# Allegro board RK_TABLET_DEMO1_RK3576_LP4XD200P132SD6_V12_20240530YWQ.brd (continued)
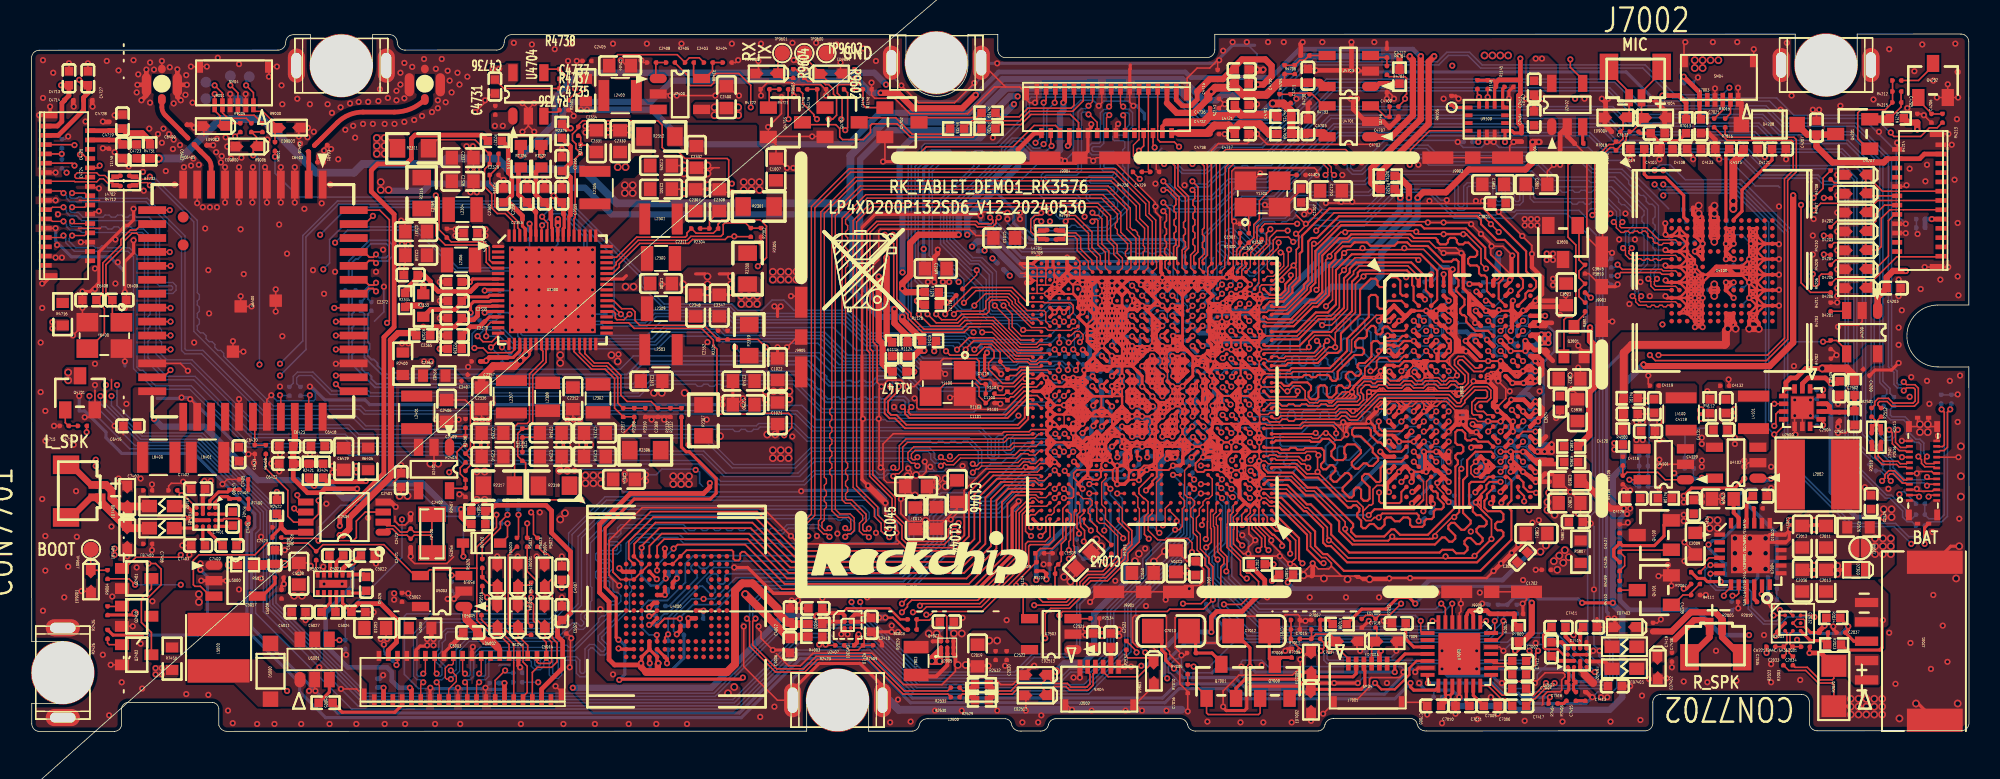
[diagram p0: board, top side]
## Footprints (pads in the part's own frame, mm; a bottom-side part is the same pattern mirrored in y, then rotated) (continued)
BGA698_16R1X17R2X1R08
  round 0.245 smd: 1A1(-7.2,7.2) 1A2(-6.6,7.2) 1A3(-6,7.2) 1A4(-5.4,7.2) 1A5(-4.8,7.2) 1A6(-4.2,7.2) 1A7(-3.6,7.2) 1A8(-3,7.2) 1A9(-2.4,7.2) 1A10(-1.8,7.2) 1A11(-1.2,7.2) 1A12(-0.6,7.2) 1A13(0,7.2) 1A14(0.6,7.2) 1A15(1.2,7.2) 1A16(1.8,7.2) 1A17(2.4,7.2) 1A18(3,7.2) 1A19(3.6,7.2) 1A20(4.2,7.2) 1A21(4.8,7.2) 1A22(5.4,7.2) 1A23(6,7.2) 1A24(6.6,7.2) 1AA1(-7.2,-4.8) 1AA2(-6.6,-4.8) 1AA3(-6,-4.8) 1AA4(-5.4,-4.8) 1AA5(-4.8,-4.8) 1AA6(-4.2,-4.8) 1AA20(4.2,-4.8) 1AA21(4.8,-4.8) 1AA22(5.4,-4.8) 1AA23(6,-4.8) 1AA24(6.6,-4.8) 1AB1(-7.2,-5.4) 1AB2(-6.6,-5.4) 1AB3(-6,-5.4) 1AB4(-5.4,-5.4) 1AB5(-4.8,-5.4) 1AB6(-4.2,-5.4) 1AB20(4.2,-5.4) 1AB21(4.8,-5.4) 1AB22(5.4,-5.4) 1AB23(6,-5.4) 1AB24(6.6,-5.4) 1AC1(-7.2,-6) 1AC2(-6.6,-6) 1AC3(-6,-6) 1AC4(-5.4,-6) 1AC5(-4.8,-6) 1AC6(-4.2,-6) 1AC20(4.2,-6) 1AC21(4.8,-6) 1AC22(5.4,-6) 1AC23(6,-6) 1AC24(6.6,-6) 1AD1(-7.2,-6.6) 1AD2(-6.6,-6.6) 1AD3(-6,-6.6) 1AD4(-5.4,-6.6) 1AD5(-4.8,-6.6) 1AD6(-4.2,-6.6) 1AD20(4.2,-6.6) 1AD21(4.8,-6.6) 1AD22(5.4,-6.6) 1AD23(6,-6.6) 1AD24(6.6,-6.6) 1AE1(-7.2,-7.2) 1AE2(-6.6,-7.2) 1AE3(-6,-7.2) 1AE4(-5.4,-7.2) 1AE6(-4.2,-7.2) 1AE20(4.2,-7.2) 1AE21(4.8,-7.2) 1AE23(6,-7.2) 1AE24(6.6,-7.2) 1B1(-7.2,6.6) 1B2(-6.6,6.6) 1B3(-6,6.6) 1B5(-4.8,6.6) 1B6(-4.2,6.6) 1B7(-3.6,6.6) 1B9(-2.4,6.6) 1B10(-1.8,6.6) 1B12(-0.6,6.6) 1B13(0,6.6) 1B15(1.2,6.6) 1B16(1.8,6.6) 1B18(3,6.6) 1B19(3.6,6.6) 1B21(4.8,6.6) 1B22(5.4,6.6) 1B23(6,6.6) 1B24(6.6,6.6) 1C1(-7.2,6) 1C2(-6.6,6) 1C3(-6,6) 1C4(-5.4,6) 1C5(-4.8,6) 1C6(-4.2,6) 1C7(-3.6,6) 1C9(-2.4,6) 1C10(-1.8,6) 1C12(-0.6,6) 1C13(0,6) 1C15(1.2,6) 1C16(1.8,6) 1C18(3,6) 1C19(3.6,6) 1C21(4.8,6) 1C22(5.4,6) 1C23(6,6) 1C24(6.6,6) 1D1(-7.2,5.4) 1D2(-6.6,5.4) 1D3(-6,5.4) 1D4(-5.4,5.4) 1D5(-4.8,5.4) 1D6(-4.2,5.4) 1D7(-3.6,5.4) 1D9(-2.4,5.4) 1D10(-1.8,5.4) 1D12(-0.6,5.4) 1D13(0,5.4) 1D15(1.2,5.4) 1D16(1.8,5.4) 1D18(3,5.4) 1D19(3.6,5.4) 1D21(4.8,5.4) 1D22(5.4,5.4) 1D23(6,5.4) 1D24(6.6,5.4) 1E1(-7.2,4.8) 1E2(-6.6,4.8) 1E3(-6,4.8) 1E4(-5.4,4.8) 1E5(-4.8,4.8) 1E6(-4.2,4.8) 1E7(-3.6,4.8) 1E9(-2.4,4.8) 1E10(-1.8,4.8) 1E12(-0.6,4.8) 1E13(0,4.8) 1E15(1.2,4.8) 1E16(1.8,4.8) 1E18(3,4.8) 1E19(3.6,4.8) 1E21(4.8,4.8) 1E22(5.4,4.8) 1E23(6,4.8) 1E24(6.6,4.8) 1F1(-7.2,4.2) 1F2(-6.6,4.2) 1F3(-6,4.2) 1F4(-5.4,4.2) 1F5(-4.8,4.2) 1F6(-4.2,4.2) 1F20(4.2,4.2) 1F21(4.8,4.2) 1F22(5.4,4.2) 1F23(6,4.2) 1F24(6.6,4.2) 1G1(-7.2,3.6) 1G2(-6.6,3.6) 1G3(-6,3.6) 1G4(-5.4,3.6) 1G5(-4.8,3.6) 1G6(-4.2,3.6) 1G20(4.2,3.6) 1G21(4.8,3.6) 1G22(5.4,3.6) 1G23(6,3.6) 1G24(6.6,3.6) 1H1(-7.2,3) 1H2(-6.6,3) 1H3(-6,3) 1H4(-5.4,3) 1H5(-4.8,3) 1H6(-4.2,3) 1H20(4.2,3) 1H21(4.8,3) 1H22(5.4,3) 1H23(6,3) 1H24(6.6,3) 1J1(-7.2,2.4) 1J2(-6.6,2.4) 1J3(-6,2.4) 1J4(-5.4,2.4) 1J5(-4.8,2.4) 1J6(-4.2,2.4) 1J20(4.2,2.4) 1J21(4.8,2.4) 1J22(5.4,2.4) 1J23(6,2.4) 1J24(6.6,2.4) 1K1(-7.2,1.8) 1K2(-6.6,1.8) 1K3(-6,1.8) 1K4(-5.4,1.8) 1K5(-4.8,1.8) 1K6(-4.2,1.8) 1K20(4.2,1.8) 1K21(4.8,1.8) 1K22(5.4,1.8) 1K23(6,1.8) 1K24(6.6,1.8) 1L1(-7.2,1.2) 1L2(-6.6,1.2) 1L3(-6,1.2) 1L4(-5.4,1.2) 1L5(-4.8,1.2) 1L6(-4.2,1.2) 1L20(4.2,1.2) 1L21(4.8,1.2) 1L22(5.4,1.2) 1L23(6,1.2) 1L24(6.6,1.2) 1M1(-7.2,0.6) 1M2(-6.6,0.6) 1M3(-6,0.6) 1M4(-5.4,0.6) 1M5(-4.8,0.6) 1M6(-4.2,0.6) 1M20(4.2,0.6) 1M21(4.8,0.6) 1M22(5.4,0.6) 1M23(6,0.6) 1M24(6.6,0.6) 1N1(-7.2,0) 1N2(-6.6,0) 1N3(-6,0) 1N4(-5.4,0) 1N5(-4.8,0) 1N6(-4.2,0) 1N20(4.2,0) 1N21(4.8,0) 1N22(5.4,0) 1N23(6,0) 1N24(6.6,0) 1P1(-7.2,-0.6) 1P2(-6.6,-0.6) 1P3(-6,-0.6) 1P4(-5.4,-0.6) 1P5(-4.8,-0.6) 1P6(-4.2,-0.6) 1P20(4.2,-0.6) 1P21(4.8,-0.6) 1P22(5.4,-0.6) 1P23(6,-0.6) 1P24(6.6,-0.6) 1R1(-7.2,-1.2) 1R2(-6.6,-1.2) 1R3(-6,-1.2) 1R4(-5.4,-1.2) 1R5(-4.8,-1.2) 1R6(-4.2,-1.2) 1R24(6.6,-1.2) 1T1(-7.2,-1.8) 1T2(-6.6,-1.8) 1T3(-6,-1.8) 1T4(-5.4,-1.8) 1T5(-4.8,-1.8) 1T6(-4.2,-1.8) 1T20(4.2,-1.8) 1T21(4.8,-1.8) 1T22(5.4,-1.8) 1T23(6,-1.8) 1T24(6.6,-1.8) 1U1(-7.2,-2.4) 1U2(-6.6,-2.4) 1U3(-6,-2.4) 1U4(-5.4,-2.4) 1U5(-4.8,-2.4) 1U6(-4.2,-2.4) 1U20(4.2,-2.4) 1U21(4.8,-2.4) 1U22(5.4,-2.4) 1U23(6,-2.4) 1U24(6.6,-2.4) 1V1(-7.2,-3) 1V2(-6.6,-3) 1V3(-6,-3) 1V4(-5.4,-3) 1V5(-4.8,-3) 1V6(-4.2,-3) 1V24(6.6,-3) 1W1(-7.2,-3.6) 1W2(-6.6,-3.6) 1W3(-6,-3.6) 1W4(-5.4,-3.6) 1W5(-4.8,-3.6) 1W6(-4.2,-3.6) 1W20(4.2,-3.6) 1W21(4.8,-3.6) 1W22(5.4,-3.6) 1W23(6,-3.6) 1W24(6.6,-3.6) 1Y1(-7.2,-4.2) 1Y2(-6.6,-4.2) 1Y3(-6,-4.2) 1Y4(-5.4,-4.2) 1Y5(-4.8,-4.2) 1Y6(-4.2,-4.2) 1Y20(4.2,-4.2) 1Y21(4.8,-4.2) 1Y22(5.4,-4.2) 1Y23(6,-4.2) 1Y24(6.6,-4.2) 2A1(-3.575,3.9) 2A2(-2.925,3.9) 2A3(-2.275,3.9) 2A4(-1.625,3.9) 2A5(-0.975,3.9) 2A6(-0.325,3.9) 2A7(0.325,3.9) 2A8(0.975,3.9) 2A9(1.625,3.9) 2A10(2.275,3.9) 2A11(2.925,3.9) 2A12(3.575,3.9) 2B1(-3.575,3.25) 2B2(-2.925,3.25) 2B3(-2.275,3.25) 2B4(-1.625,3.25) 2B5(-0.975,3.25) 2B6(-0.325,3.25) 2B7(0.325,3.25) 2B8(0.975,3.25) 2B9(1.625,3.25) 2B10(2.275,3.25) 2B11(2.925,3.25) 2B12(3.575,3.25) 2C1(-3.575,2.6) 2C2(-2.925,2.6) 2C3(-2.275,2.6) 2C4(-1.625,2.6) 2C5(-0.975,2.6) 2C6(-0.325,2.6) 2C7(0.325,2.6) 2C8(0.975,2.6) 2C9(1.625,2.6) 2C10(2.275,2.6) 2C11(2.925,2.6) 2C12(3.575,2.6) 2D1(-3.575,1.95) 2D2(-2.925,1.95) 2D3(-2.275,1.95) 2D4(-1.625,1.95) 2D5(-0.975,1.95) 2D6(-0.325,1.95) 2D7(0.325,1.95) 2D8(0.975,1.95) 2D9(1.625,1.95) 2D10(2.275,1.95) 2D11(2.925,1.95) 2D12(3.575,1.95) 2E1(-3.575,1.3) 2E2(-2.925,1.3) 2E3(-2.275,1.3) 2E4(-1.625,1.3) 2E5(-0.975,1.3) 2E6(-0.325,1.3) 2E7(0.325,1.3) 2E8(0.975,1.3) 2E9(1.625,1.3) 2E10(2.275,1.3) 2E11(2.925,1.3) 2E12(3.575,1.3) 2F1(-3.575,0.65) 2F2(-2.925,0.65) 2F3(-2.275,0.65) 2F4(-1.625,0.65) 2F5(-0.975,0.65) 2F6(-0.325,0.65) 2F7(0.325,0.65) 2F8(0.975,0.65) 2F9(1.625,0.65) 2F10(2.275,0.65) 2F11(2.925,0.65) 2F12(3.575,0.65) 2G1(-3.575,0) 2G2(-2.925,0) 2G3(-2.275,0) 2G4(-1.625,0) 2G5(-0.975,0) 2G6(-0.325,0) 2G7(0.325,0) 2G8(0.975,0) 2G9(1.625,0) 2G10(2.275,0) 2G11(2.925,0) 2G12(3.575,0) 2H1(-3.575,-0.65) 2H2(-2.925,-0.65) 2H3(-2.275,-0.65) 2H4(-1.625,-0.65) 2H5(-0.975,-0.65) 2H6(-0.325,-0.65) 2H7(0.325,-0.65) 2H8(0.975,-0.65) 2H9(1.625,-0.65) 2H10(2.275,-0.65) 2H11(2.925,-0.65) 2H12(3.575,-0.65) 2J1(-3.575,-1.3) 2J2(-2.925,-1.3) 2J3(-2.275,-1.3) 2J4(-1.625,-1.3) 2J5(-0.975,-1.3) 2J6(-0.325,-1.3) 2J7(0.325,-1.3) 2J8(0.975,-1.3) 2J9(1.625,-1.3) 2J10(2.275,-1.3) 2J11(2.925,-1.3) 2J12(3.575,-1.3) 2K1(-3.575,-1.95) 2K2(-2.925,-1.95) 2K3(-2.275,-1.95) 2K4(-1.625,-1.95) 2K5(-0.975,-1.95) 2K6(-0.325,-1.95) 2K7(0.325,-1.95) 2K8(0.975,-1.95) 2K9(1.625,-1.95) 2K10(2.275,-1.95) 2K11(2.925,-1.95) 2K12(3.575,-1.95) 2L1(-3.575,-2.6) 2L2(-2.925,-2.6) 2L3(-2.275,-2.6) 2L4(-1.625,-2.6) 2L5(-0.975,-2.6) 2L6(-0.325,-2.6) 2L7(0.325,-2.6) 2L8(0.975,-2.6) 2L9(1.625,-2.6) 2L10(2.275,-2.6) 2L11(2.925,-2.6) 2L12(3.575,-2.6) 2M1(-3.575,-3.25) 2M2(-2.925,-3.25) 2M3(-2.275,-3.25) 2M4(-1.625,-3.25) 2M5(-0.975,-3.25) 2M6(-0.325,-3.25) 2M7(0.325,-3.25) 2M8(0.975,-3.25) 2M9(1.625,-3.25) 2M10(2.275,-3.25) 2M11(2.925,-3.25) 2M12(3.575,-3.25) 2N1(-3.575,-3.9) 2N2(-2.925,-3.9) 2N3(-2.275,-3.9) 2N4(-1.625,-3.9) 2N5(-0.975,-3.9) 2N6(-0.325,-3.9) 2N7(0.325,-3.9) 2N8(0.975,-3.9) 2N9(1.625,-3.9) 2N10(2.275,-3.9) 2N11(2.925,-3.9) 2N12(3.575,-3.9) 2P1(-3.575,-4.55) 2P2(-2.925,-4.55) 2P3(-2.275,-4.55) 2P4(-1.625,-4.55) 2P5(-0.975,-4.55) 2P6(-0.325,-4.55) 2P7(0.325,-4.55) 2P8(0.975,-4.55) 2P9(1.625,-4.55) 2P10(2.275,-4.55) 2P11(2.925,-4.55) 2P12(3.575,-4.55) 2R1(-3.575,-5.2) 2R2(-2.925,-5.2) 2R3(-2.275,-5.2) 2R4(-1.625,-5.2) 2R5(-0.975,-5.2) 2R6(-0.325,-5.2) 2R7(0.325,-5.2) 2R8(0.975,-5.2) 2R9(1.625,-5.2) 2R10(2.275,-5.2) 2R11(2.925,-5.2) 2R12(3.575,-5.2) 2T1(-3.575,-5.85) 2T2(-2.925,-5.85) 2T3(-2.275,-5.85) 2T4(-1.625,-5.85) 2T5(-0.975,-5.85) 2T6(-0.325,-5.85) 2T7(0.325,-5.85) 2T8(0.975,-5.85) 2T9(1.625,-5.85) 2T10(2.275,-5.85) 2T11(2.925,-5.85) 2T12(3.575,-5.85) 2U1(-3.575,-6.5) 2U2(-2.925,-6.5) 2U3(-2.275,-6.5) 2U4(-1.625,-6.5) 2U5(-0.975,-6.5) 2U6(-0.325,-6.5) 2U7(0.325,-6.5) 2U8(0.975,-6.5) 2U9(1.625,-6.5) 2U10(2.275,-6.5) 2U11(2.925,-6.5) 2U12(3.575,-6.5) 2V1(-3.575,-7.15) 2V2(-2.925,-7.15) 2V3(-2.275,-7.15) 2V4(-1.625,-7.15) 2V5(-0.975,-7.15) 2V6(-0.325,-7.15) 2V7(0.325,-7.15) 2V8(0.975,-7.15) 2V9(1.625,-7.15) 2V10(2.275,-7.15) 2V11(2.925,-7.15) 2V12(3.575,-7.15) A1(-7.7,8.25) A2(-7.15,8.25) A3(-6.6,8.25) A4(-6.05,8.25) A5(-5.5,8.25) A7(-4.4,8.25) A9(-3.3,8.25) A11(-2.2,8.25) A13(-1.1,8.25) A15(0,8.25) A17(1.1,8.25) A19(2.2,8.25) A21(3.3,8.25) A23(4.4,8.25) A25(5.5,8.25) A26(6.05,8.25) A27(6.6,8.25) A28(7.15,8.25) A29(7.7,8.25) AA28(7.15,-2.75) AB1(-7.7,-3.3) AB28(7.15,-3.3) AB29(7.7,-3.3) AC1(-7.7,-3.85) AC28(7.15,-3.85) AD28(7.15,-4.4) AD29(7.7,-4.4) AE1(-7.7,-4.95) AE28(7.15,-4.95) AE29(7.7,-4.95) AF1(-7.7,-5.5) AF28(7.15,-5.5) AF29(7.7,-5.5) AG28(7.15,-6.05) AG29(7.7,-6.05) AH1(-7.7,-6.6) AH28(7.15,-6.6) AH29(7.7,-6.6) AJ1(-7.7,-7.15) AJ28(7.15,-7.15) AJ29(7.7,-7.15) AK1(-7.7,-7.7) AK2(-7.15,-7.7) AK3(-6.6,-7.7) AK4(-6.05,-7.7) AK5(-5.5,-7.7) AK6(-4.95,-7.7) AK7(-4.4,-7.7) AK8(-3.85,-7.7) AK9(-3.3,-7.7) AK10(-2.75,-7.7) AK11(-2.2,-7.7) AK12(-1.65,-7.7) AK13(-1.1,-7.7) AK14(-0.55,-7.7) AK15(0,-7.7) AK16(0.55,-7.7) AK17(1.1,-7.7) AK18(1.65,-7.7) AK19(2.2,-7.7) AK20(2.75,-7.7) AK21(3.3,-7.7) AK22(3.85,-7.7) AK23(4.4,-7.7) AK24(4.95,-7.7) AK25(5.5,-7.7) AK26(6.05,-7.7) AK27(6.6,-7.7) AK28(7.15,-7.7) AK29(7.7,-7.7) AL1(-7.7,-8.25) AL2(-7.15,-8.25) AL3(-6.6,-8.25) AL4(-6.05,-8.25) AL5(-5.5,-8.25) AL6(-4.95,-8.25) AL7(-4.4,-8.25) AL8(-3.85,-8.25) AL9(-3.3,-8.25) AL10(-2.75,-8.25) AL11(-2.2,-8.25) AL12(-1.65,-8.25) AL13(-1.1,-8.25) AL14(-0.55,-8.25) AL15(0,-8.25) AL16(0.55,-8.25) AL17(1.1,-8.25) AL18(1.65,-8.25) AL19(2.2,-8.25) AL20(2.75,-8.25) AL21(3.3,-8.25) AL22(3.85,-8.25) AL23(4.4,-8.25) AL24(4.95,-8.25) AL25(5.5,-8.25) AL26(6.05,-8.25) AL28(7.15,-8.25) AL29(7.7,-8.25) B1(-7.7,7.7) B2(-7.15,7.7) B3(-6.6,7.7) B4(-6.05,7.7) B5(-5.5,7.7) B6(-4.95,7.7) B7(-4.4,7.7) B8(-3.85,7.7) B9(-3.3,7.7) B10(-2.75,7.7) B11(-2.2,7.7) B12(-1.65,7.7) B13(-1.1,7.7) B14(-0.55,7.7) B15(0,7.7) B16(0.55,7.7) B17(1.1,7.7) B18(1.65,7.7) B19(2.2,7.7) B20(2.75,7.7) B21(3.3,7.7) B22(3.85,7.7) B23(4.4,7.7) B24(4.95,7.7) B25(5.5,7.7) B26(6.05,7.7) B27(6.6,7.7) B28(7.15,7.7) B29(7.7,7.7) C1(-7.7,7.15) C28(7.15,7.15) C29(7.7,7.15) D1(-7.7,6.6) D28(7.15,6.6) E1(-7.7,6.05) E28(7.15,6.05) E29(7.7,6.05) F28(7.15,5.5) G1(-7.7,4.95) G28(7.15,4.95) G29(7.7,4.95) H1(-7.7,4.4) H28(7.15,4.4) H29(7.7,4.4) J28(7.15,3.85) J29(7.7,3.85) K1(-7.7,3.3) K28(7.15,3.3) K29(7.7,3.3) L1(-7.7,2.75) L28(7.15,2.75) L29(7.7,2.75) M28(7.15,2.2) M29(7.7,2.2) N1(-7.7,1.65) N28(7.15,1.65) N29(7.7,1.65) P1(-7.7,1.1) P28(7.15,1.1) P29(7.7,1.1) R28(7.15,0.55) R29(7.7,0.55) T1(-7.7,0) T28(7.15,0) T29(7.7,0) U1(-7.7,-0.55) U28(7.15,-0.55) U29(7.7,-0.55) V28(7.15,-1.1) V29(7.7,-1.1) W1(-7.7,-1.65) W28(7.15,-1.65) Y1(-7.7,-2.2) Y28(7.15,-2.2) Y29(7.7,-2.2)
C0201
  custom 0.294x0.3 smd: 1(-0.275,0) 2(0.275,0)
C0402
  rect 0.55x0.55 smd: 1(-0.45,0) 2(0.45,0)
C0603
  rect 0.8x0.9 smd: 1(-0.7,0) 2(0.7,0)
C1206
  rect 1.4x1.6 smd: 1(-1.168,0) 2(1.168,0)
CNN24M_0R35
  rect 0.44x0.17 smd: 1(-0.88,-1.925) 2(-0.88,-1.575) 3(-0.88,-1.225) 4(-0.88,-0.875) 5(-0.88,-0.525) 6(-0.88,-0.175) 7(-0.88,0.175) 8(-0.88,0.525) 9(-0.88,0.875) 10(-0.88,1.225) 11(-0.88,1.575) 12(-0.88,1.925) 13(0.88,1.925) 14(0.88,1.575) 15(0.88,1.225) 16(0.88,0.875) 17(0.88,0.525) 18(0.88,0.175) 19(0.88,-0.175) 20(0.88,-0.525) 21(0.88,-0.875) 22(0.88,-1.225) 23(0.88,-1.575) 24(0.88,-1.925)
  rect 0.38x0.7 smd: 25(0.91,-2.855) 26(-0.91,-2.855) 29(-0.91,2.855) 30(0.91,2.855)
  rect 0.35x0.25 smd: 27(-0.355,-3.42) 28(0.355,-3.42) 31(0.355,3.42) 32(-0.355,3.42)
CNN25_0R30_FH26W
  rect 0.3x0.8 smd: 1(0,0) 3(0.6,0) 5(1.2,0) 7(1.8,0) 9(2.4,0) 11(3,0) 13(3.6,0) 15(4.2,0) 17(4.8,0) 19(5.4,0) 21(6,0) 23(6.6,0) 25(7.2,0)
  rect 0.3x0.65 smd: 2(0.3,2.875) 4(0.9,2.875) 6(1.5,2.875) 8(2.1,2.875) 10(2.7,2.875) 12(3.3,2.875) 14(3.9,2.875) 16(4.5,2.875) 18(5.1,2.875) 20(5.7,2.875) 22(6.3,2.875) 24(6.9,2.875)
  rect 0.4x0.95 smd: 26(7.9,0.295) 27(-0.7,0.295)
CNN31_0R30_FH26W
  rect 0.3x0.8 smd: 1(0,0) 3(0.6,0) 5(1.2,0) 7(1.8,0) 9(2.4,0) 11(3,0) 13(3.6,0) 15(4.2,0) 17(4.8,0) 19(5.4,0) 21(6,0) 23(6.6,0) 25(7.2,0) 27(7.8,0) 29(8.4,0) 31(9,0)
  rect 0.3x0.65 smd: 2(0.3,2.875) 4(0.9,2.875) 6(1.5,2.875) 8(2.1,2.875) 10(2.7,2.875) 12(3.3,2.875) 14(3.9,2.875) 16(4.5,2.875) 18(5.1,2.875) 20(5.7,2.875) 22(6.3,2.875) 24(6.9,2.875) 26(7.5,2.875) 28(8.1,2.875) 30(8.7,2.875)
  rect 0.4x0.95 smd: 32(9.7,0.295) 33(-0.7,0.295)
CNN39_0R30_FH26W
  rect 0.3x0.8 smd: 1(0,0) 3(0.6,0) 5(1.2,0) 7(1.8,0) 9(2.4,0) 11(3,0) 13(3.6,0) 15(4.2,0) 17(4.8,0) 19(5.4,0) 21(6,0) 23(6.6,0) 25(7.2,0) 27(7.8,0) 29(8.4,0) 31(9,0) 33(9.6,0) 35(10.2,0) 37(10.8,0) 39(11.4,0)
  rect 0.3x0.65 smd: 2(0.3,2.875) 4(0.9,2.875) 6(1.5,2.875) 8(2.1,2.875) 10(2.7,2.875) 12(3.3,2.875) 14(3.9,2.875) 16(4.5,2.875) 18(5.1,2.875) 20(5.7,2.875) 22(6.3,2.875) 24(6.9,2.875) 26(7.5,2.875) 28(8.1,2.875) 30(8.7,2.875) 32(9.3,2.875) 34(9.9,2.875) 36(10.5,2.875) 38(11.1,2.875)
  rect 0.4x0.95 smd: 40(12.1,0.295) 41(-0.7,0.295)
CRY2_3R20X1R50X0R90
  rect 1x1.8 smd: 1(-1.25,0) 2(1.25,0)
CRY4_3R20X2R50X0R80
  rect 1.4x1.2 smd: 1(-1.1,-0.85) 2(1.1,-0.85) 3(1.1,0.85) 4(-1.1,0.85)
ESD0402
  custom 0.868x0.636 smd: 1(-0.635,-0.02)
  custom 0.86x0.636 smd: 2(0.622,0)
ESD0603
  rect 0.6x1 smd: 1(-0.61,-0.02) 2(0.597,0)
FBGA153_11R5X13R0X1R00
  round 0.3 smd: A1(-3.25,3.25) A2(-2.75,3.25) A3(-2.25,3.25) A4(-1.75,3.25) A5(-1.25,3.25) A6(-0.75,3.25) A7(-0.25,3.25) A8(0.25,3.25) A9(0.75,3.25) A10(1.25,3.25) A11(1.75,3.25) A12(2.25,3.25) A13(2.75,3.25) A14(3.25,3.25) B1(-3.25,2.75) B2(-2.75,2.75) B3(-2.25,2.75) B4(-1.75,2.75) B5(-1.25,2.75) B6(-0.75,2.75) B7(-0.25,2.75) B8(0.25,2.75) B9(0.75,2.75) B10(1.25,2.75) B11(1.75,2.75) B12(2.25,2.75) B13(2.75,2.75) B14(3.25,2.75) C1(-3.25,2.25) C2(-2.75,2.25) C3(-2.25,2.25) C4(-1.75,2.25) C5(-1.25,2.25) C6(-0.75,2.25) C7(-0.25,2.25) C8(0.25,2.25) C9(0.75,2.25) C10(1.25,2.25) C11(1.75,2.25) C12(2.25,2.25) C13(2.75,2.25) C14(3.25,2.25) D1(-3.25,1.75) D2(-2.75,1.75) D3(-2.25,1.75) D4(-1.75,1.75) D12(2.25,1.75) D13(2.75,1.75) D14(3.25,1.75) E1(-3.25,1.25) E2(-2.75,1.25) E3(-2.25,1.25) E5(-1.25,1.25) E6(-0.75,1.25) E7(-0.25,1.25) E8(0.25,1.25) E9(0.75,1.25) E10(1.25,1.25) E12(2.25,1.25) E13(2.75,1.25) E14(3.25,1.25) F1(-3.25,0.75) F2(-2.75,0.75) F3(-2.25,0.75) F5(-1.25,0.75) F10(1.25,0.75) F12(2.25,0.75) F13(2.75,0.75) F14(3.25,0.75) G1(-3.25,0.25) G2(-2.75,0.25) G3(-2.25,0.25) G5(-1.25,0.25) G10(1.25,0.25) G12(2.25,0.25) G13(2.75,0.25) G14(3.25,0.25) H1(-3.25,-0.25) H2(-2.75,-0.25) H3(-2.25,-0.25) H5(-1.25,-0.25) H10(1.25,-0.25) H12(2.25,-0.25) H13(2.75,-0.25) H14(3.25,-0.25) J1(-3.25,-0.75) J2(-2.75,-0.75) J3(-2.25,-0.75) J5(-1.25,-0.75) J10(1.25,-0.75) J12(2.25,-0.75) J13(2.75,-0.75) J14(3.25,-0.75) K1(-3.25,-1.25) K2(-2.75,-1.25) K3(-2.25,-1.25) K5(-1.25,-1.25) K6(-0.75,-1.25) K7(-0.25,-1.25) K8(0.25,-1.25) K9(0.75,-1.25) K10(1.25,-1.25) K12(2.25,-1.25) K13(2.75,-1.25) K14(3.25,-1.25) L1(-3.25,-1.75) L2(-2.75,-1.75) L3(-2.25,-1.75) L12(2.25,-1.75) L13(2.75,-1.75) L14(3.25,-1.75) M1(-3.25,-2.25) M2(-2.75,-2.25) M3(-2.25,-2.25) M4(-1.75,-2.25) M5(-1.25,-2.25) M6(-0.75,-2.25) M7(-0.25,-2.25) M8(0.25,-2.25) M9(0.75,-2.25) M10(1.25,-2.25) M11(1.75,-2.25) M12(2.25,-2.25) M13(2.75,-2.25) M14(3.25,-2.25) N1(-3.25,-2.75) N2(-2.75,-2.75) N3(-2.25,-2.75) N4(-1.75,-2.75) N5(-1.25,-2.75) N6(-0.75,-2.75) N7(-0.25,-2.75) N8(0.25,-2.75) N9(0.75,-2.75) N10(1.25,-2.75) N11(1.75,-2.75) N12(2.25,-2.75) N13(2.75,-2.75) N14(3.25,-2.75) P1(-3.25,-3.25) P2(-2.75,-3.25) P3(-2.25,-3.25) P4(-1.75,-3.25) P5(-1.25,-3.25) P6(-0.75,-3.25) P7(-0.25,-3.25) P8(0.25,-3.25) P9(0.75,-3.25) P10(1.25,-3.25) P11(1.75,-3.25) P12(2.25,-3.25) P13(2.75,-3.25) P14(3.25,-3.25)
FP7721
  rect 0.25x0.4 smd: 1(-1,-0.6) 2(-0.6,-0.6) 3(-0.2,-0.6) 4(0.2,-0.6) 5(0.6,-0.6) 6(1,-0.6) 7(1,0.6) 8(0.6,0.6) 9(0.2,0.6) 10(-0.2,0.6) 11(-0.6,0.6) 12(-1,0.6)
  rect 1.8x0.5 smd: 13(0,0)
FPC-0R8MM-2P
  rect 1.1x0.5 smd: 1(0,0) 2(0,-0.8)
  rect 1.7x1.2 smd: 3(2,1.3) 4(2,-2.1)
FPC-6PIN-D
  rect 0.3x0.9 smd: 1(-1.25,1.45) 2(-0.75,1.45) 3(-0.25,1.45) 4(0.25,1.45) 5(0.75,1.45) 6(1.25,1.45)
  rect 0.5x0.8 smd: 7(-2.25,-1.05) 8(2.25,-1.05)
HOLE_A
  round 4.1 hole 4 unplated: (0,0)
  oval 1.1x2.2 hole 0.65x1.65: 2(-2.9,0) 3(2.9,0)
IND_201610
  rect 0.8x1.6 smd: 1(-0.9,0) 2(0.9,0)
IND_252010
  rect 0.7x2 smd: 1(-1.05,0) 2(1.05,0)
IND_252012
  rect 0.7x2 smd: 1(-1.05,0) 2(1.05,0)
IND_404030
  rect 1.5x4 smd: 1(-1.5,0) 2(1.5,0)
IND_505015
  rect 1.8x4.5 smd: 1(-1.75,0) 2(1.75,0)
L0603
  rect 0.965x0.8 smd: 1(-0.8,0) 2(0.8,0)
LGA14_3R00X2R50X0R86
  rect 0.475x0.25 smd: 1(-1.162,0.75) 2(-1.162,0.25) 3(-1.162,-0.25) 4(-1.162,-0.75) 8(1.162,-0.75) 9(1.162,-0.25) 10(1.162,0.25) 11(1.162,0.75)
  rect 0.25x0.475 smd: 5(-0.5,-0.912) 6(0,-0.912) 7(0.5,-0.912) 12(0.5,0.913) 13(0,0.913) 14(-0.5,0.913)
MD55_WIFI_15R0X13R0X1R85
  rect 1.8x0.5 smd: 1(-7.5,4.5) 2(-7.5,3.6) 3(-7.5,2.7) 4(-7.5,1.8) 5(-7.5,0.9) 6(-7.5,0) 7(-7.5,-0.9) 8(-7.5,-1.8) 9(-7.5,-2.7) 10(-7.5,-3.6) 11(-7.5,-4.5) 26(7.5,-4.5) 27(7.5,-3.6) 28(7.5,-2.7) 29(7.5,-1.8) 30(7.5,-0.9) 31(7.5,0) 32(7.5,0.9) 33(7.5,1.8) 34(7.5,2.7) 35(7.5,3.6) 36(7.5,4.5)
  rect 0.5x1.8 smd: 12(-5.85,-6.5) 13(-4.95,-6.5) 14(-4.05,-6.5) 15(-3.15,-6.5) 16(-2.25,-6.5) 17(-1.35,-6.5) 18(-0.45,-6.5) 19(0.45,-6.5) 20(1.35,-6.5) 21(2.25,-6.5) 22(3.15,-6.5) 23(4.05,-6.5) 24(4.95,-6.5) 25(5.85,-6.5) 37(5.85,6.5) 38(4.95,6.5) 39(4.05,6.5) 40(3.15,6.5) 41(2.25,6.5) 42(1.35,6.5) 43(0.45,6.5) 44(-0.45,6.5) 45(-1.35,6.5) 46(-2.25,6.5) 47(-3.15,6.5) 48(-4.05,6.5) 49(-4.95,6.5) 50(-5.85,6.5)
  round 0.7 smd: 51(-5.4,-4.5) 52(-3.6,-4.5)
  rect 0.8x0.8 smd: 53(0,1.47) 54(0.37,-0.79) 55(3.29,-1.29)
MLP14_2R50X2R50X0R80
  rect 0.6x0.3 smd: 1(-1.21,0.5) 2(-1.21,0) 3(-1.21,-0.5) 8(1.21,-0.5) 9(1.21,0) 10(1.21,0.5)
  rect 0.3x0.6 smd: 4(-0.75,-1.21) 5(-0.25,-1.21) 6(0.25,-1.21) 7(0.75,-1.21) 11(0.75,1.21) 12(0.25,1.21) 13(-0.25,1.21) 14(-0.75,1.21)
  rect 1.45x1.45 smd: 15(0,0)
OPEN
  custom 1.199x0.599 smd: 1(0,-0.343) 2(0,0.343)
QFN24_4R00X4R00X0R80_T
  rect 0.69x0.28 smd: 1(-1.985,1.25) 2(-1.985,0.75) 3(-1.985,0.25) 4(-1.985,-0.25) 5(-1.985,-0.75) 6(-1.985,-1.25) 13(1.985,-1.25) 14(1.985,-0.75) 15(1.985,-0.25) 16(1.985,0.25) 17(1.985,0.75) 18(1.985,1.25)
  rect 0.28x0.69 smd: 7(-1.25,-1.985) 8(-0.75,-1.985) 9(-0.25,-1.985) 10(0.25,-1.985) 11(0.75,-1.985) 12(1.25,-1.985) 19(1.25,1.985) 20(0.75,1.985) 21(0.25,1.985) 22(-0.25,1.985) 23(-0.75,1.985) 24(-1.25,1.985)
  rect 2.5x2.5 smd: 25(0,0)
QFN28_4R00X4R00X0R90_T
  rect 0.9x0.25 smd: 1(-2.05,1.35) 2(-2.05,0.9) 3(-2.05,0.45) 4(-2.05,0) 5(-2.05,-0.45) 6(-2.05,-0.9) 7(-2.05,-1.35) 15(2.05,-1.35) 16(2.05,-0.9) 17(2.05,-0.45) 18(2.05,0) 19(2.05,0.45) 20(2.05,0.9) 21(2.05,1.35)
  rect 0.25x0.9 smd: 8(-1.35,-2.05) 9(-0.9,-2.05) 10(-0.45,-2.05) 11(0,-2.05) 12(0.45,-2.05) 13(0.9,-2.05) 14(1.35,-2.05) 22(1.35,2.05) 23(0.9,2.05) 24(0.45,2.05) 25(0,2.05) 26(-0.45,2.05) 27(-0.9,2.05) 28(-1.35,2.05)
  rect 2.7x2.7 smd: 29(0,0)
QFN68_7R00X7R00X0R80_T
  oval 0.8x0.2 smd: 1(-3.5,2.8)
  rect 0.8x0.2 smd: 2(-3.5,2.45) 3(-3.5,2.1) 4(-3.5,1.75) 5(-3.5,1.4) 6(-3.5,1.05) 7(-3.5,0.7) 8(-3.5,0.35) 9(-3.5,0) 10(-3.5,-0.35) 11(-3.5,-0.7) 12(-3.5,-1.05) 13(-3.5,-1.4) 14(-3.5,-1.75) 15(-3.5,-2.1) 16(-3.5,-2.45) 17(-3.5,-2.8) 35(3.5,-2.8) 36(3.5,-2.45) 37(3.5,-2.1) 38(3.5,-1.75) 39(3.5,-1.4) 40(3.5,-1.05) 41(3.5,-0.7) 42(3.5,-0.35) 43(3.5,0) 44(3.5,0.35) 45(3.5,0.7) 46(3.5,1.05) 47(3.5,1.4) 48(3.5,1.75) 49(3.5,2.1) 50(3.5,2.45) 51(3.5,2.8)
  rect 0.2x0.8 smd: 18(-2.8,-3.5) 19(-2.45,-3.5) 20(-2.1,-3.5) 21(-1.75,-3.5) 22(-1.4,-3.5) 23(-1.05,-3.5) 24(-0.7,-3.5) 25(-0.35,-3.5) 26(0,-3.5) 27(0.35,-3.5) 28(0.7,-3.5) 29(1.05,-3.5) 30(1.4,-3.5) 31(1.75,-3.5) 32(2.1,-3.5) 33(2.45,-3.5) 34(2.8,-3.5) 52(2.8,3.5) 53(2.45,3.5) 54(2.1,3.5) 55(1.75,3.5) 56(1.4,3.5) 57(1.05,3.5) 58(0.7,3.5) 59(0.35,3.5) 60(0,3.5) 61(-0.35,3.5) 62(-0.7,3.5) 63(-1.05,3.5) 64(-1.4,3.5) 65(-1.75,3.5) 66(-2.1,3.5) 67(-2.45,3.5) 68(-2.8,3.5)
  rect 5.6x5.6 smd: 69(0,0)
R0201
  custom 0.294x0.3 smd: 1(-0.275,0) 2(0.275,0)
R0402
  rect 0.55x0.55 smd: 1(-0.45,0) 2(0.45,0)
R0603
  rect 0.65x0.8 smd: 1(-0.725,0) 2(0.725,0)
R0805
  rect 1x1.2 smd: 1(-1,0) 2(1,0)
R1206
  rect 1.4x1.6 smd: 1(-1.3,0) 2(1.3,0)
RP2_0405
  rect 0.5x0.3 smd: 1(-0.625,-0.275) 2(0.625,-0.275) 3(-0.625,0.275) 4(0.625,0.275)
RP2_0504
  rect 0.5x0.3 smd: 1(-0.625,-0.275) 2(0.625,-0.275) 3(-0.625,0.275) 4(0.625,0.275)
SANDAI_WIFI_ANT
  oval 0.7x0.5 smd: 1(0,0)
  oval 0.55x0.5 smd: 2(1.975,0)
  oval 1.5x0.6 smd: 3(0.95,1) 4(0.95,-1)
SHIELD_6R50X0R80
  rect 1x0.8 smd: 1(0,0)
  rect 2x0.8 smd: 2(-2.25,0) 3(2.25,0)
SOD_123
  rect 1x1 smd: 1(-1.8,0) 2(1.8,0)
SOD_323
  rect 0.8x0.6 smd: 1(-1.2,0) 2(1.2,0)
SOT23-6
  oval 1x0.7 smd: 1(-1.3,0.95)
  rect 1x0.7 smd: 2(-1.3,0) 3(-1.3,-0.95) 4(1.3,-0.95) 5(1.3,0) 6(1.3,0.95)
SOT_23
  rect 0.8x1.1 smd: 1(-0.95,-1.1) 2(0.95,-1.1) 3(0,1.1)
SOT_23_5
  oval 1.1x0.6 smd: 1(-1.4,1)
  rect 1.1x0.6 smd: 2(-1.4,0) 3(-1.4,-1) 4(1.4,-1) 5(1.4,1)
SOT_323
  rect 0.7x0.9 smd: 1(-0.65,-0.95) 2(0.65,-0.95) 3(0,0.95)
TP_0R70
  round 0.7 smd: 1(0,0)
TP_1R00
  round 1 smd: 1(0,0)
TSSOP8_3R10X3R10X1R10
  oval 1x0.45 smd: 1(-2.5,0.975)
  rect 1x0.45 smd: 2(-2.5,0.325) 3(-2.5,-0.325) 4(-2.5,-0.975) 5(2.5,-0.975) 6(2.5,-0.325) 7(2.5,0.325) 8(2.5,0.975)
WLCSP4_0R80X0R80X0R50
  round 0.25 smd: A1(0.2,-0.2) A2(-0.2,-0.2) B1(0.2,0.2) B2(-0.2,0.2)
WLCSP9_0P5_1P74X1P50
  round 0.25 smd: A1(-0.5,0.5) A2(0,0.5) A3(0.5,0.5) B1(-0.5,0) B2(0,0) B3(0.5,0) C1(-0.5,-0.5) C2(0,-0.5) C3(0.5,-0.5)
WLCSP9_1R21X1R21
  round 0.27 smd: A1(0.4,-0.4) A2(0,-0.4) A3(-0.4,-0.4) B1(0.4,0) B2(0,0) B3(-0.4,0) C1(0.4,0.4) C2(0,0.4) C3(-0.4,0.4)
